# Altium PCB ROBOT1.PcbDoc (part 4 of 7)
Units mm, origin at the board's own origin, x right, y up, seen from the top; angles counter-clockwise.
Board outline 99.4 x 99.07 mm, 2 copper layers (Top Layer, Bottom Layer); 31 components, 29 nets, 151 pads, 0 vias.
Unrouted connection lines stored in the file: 3.
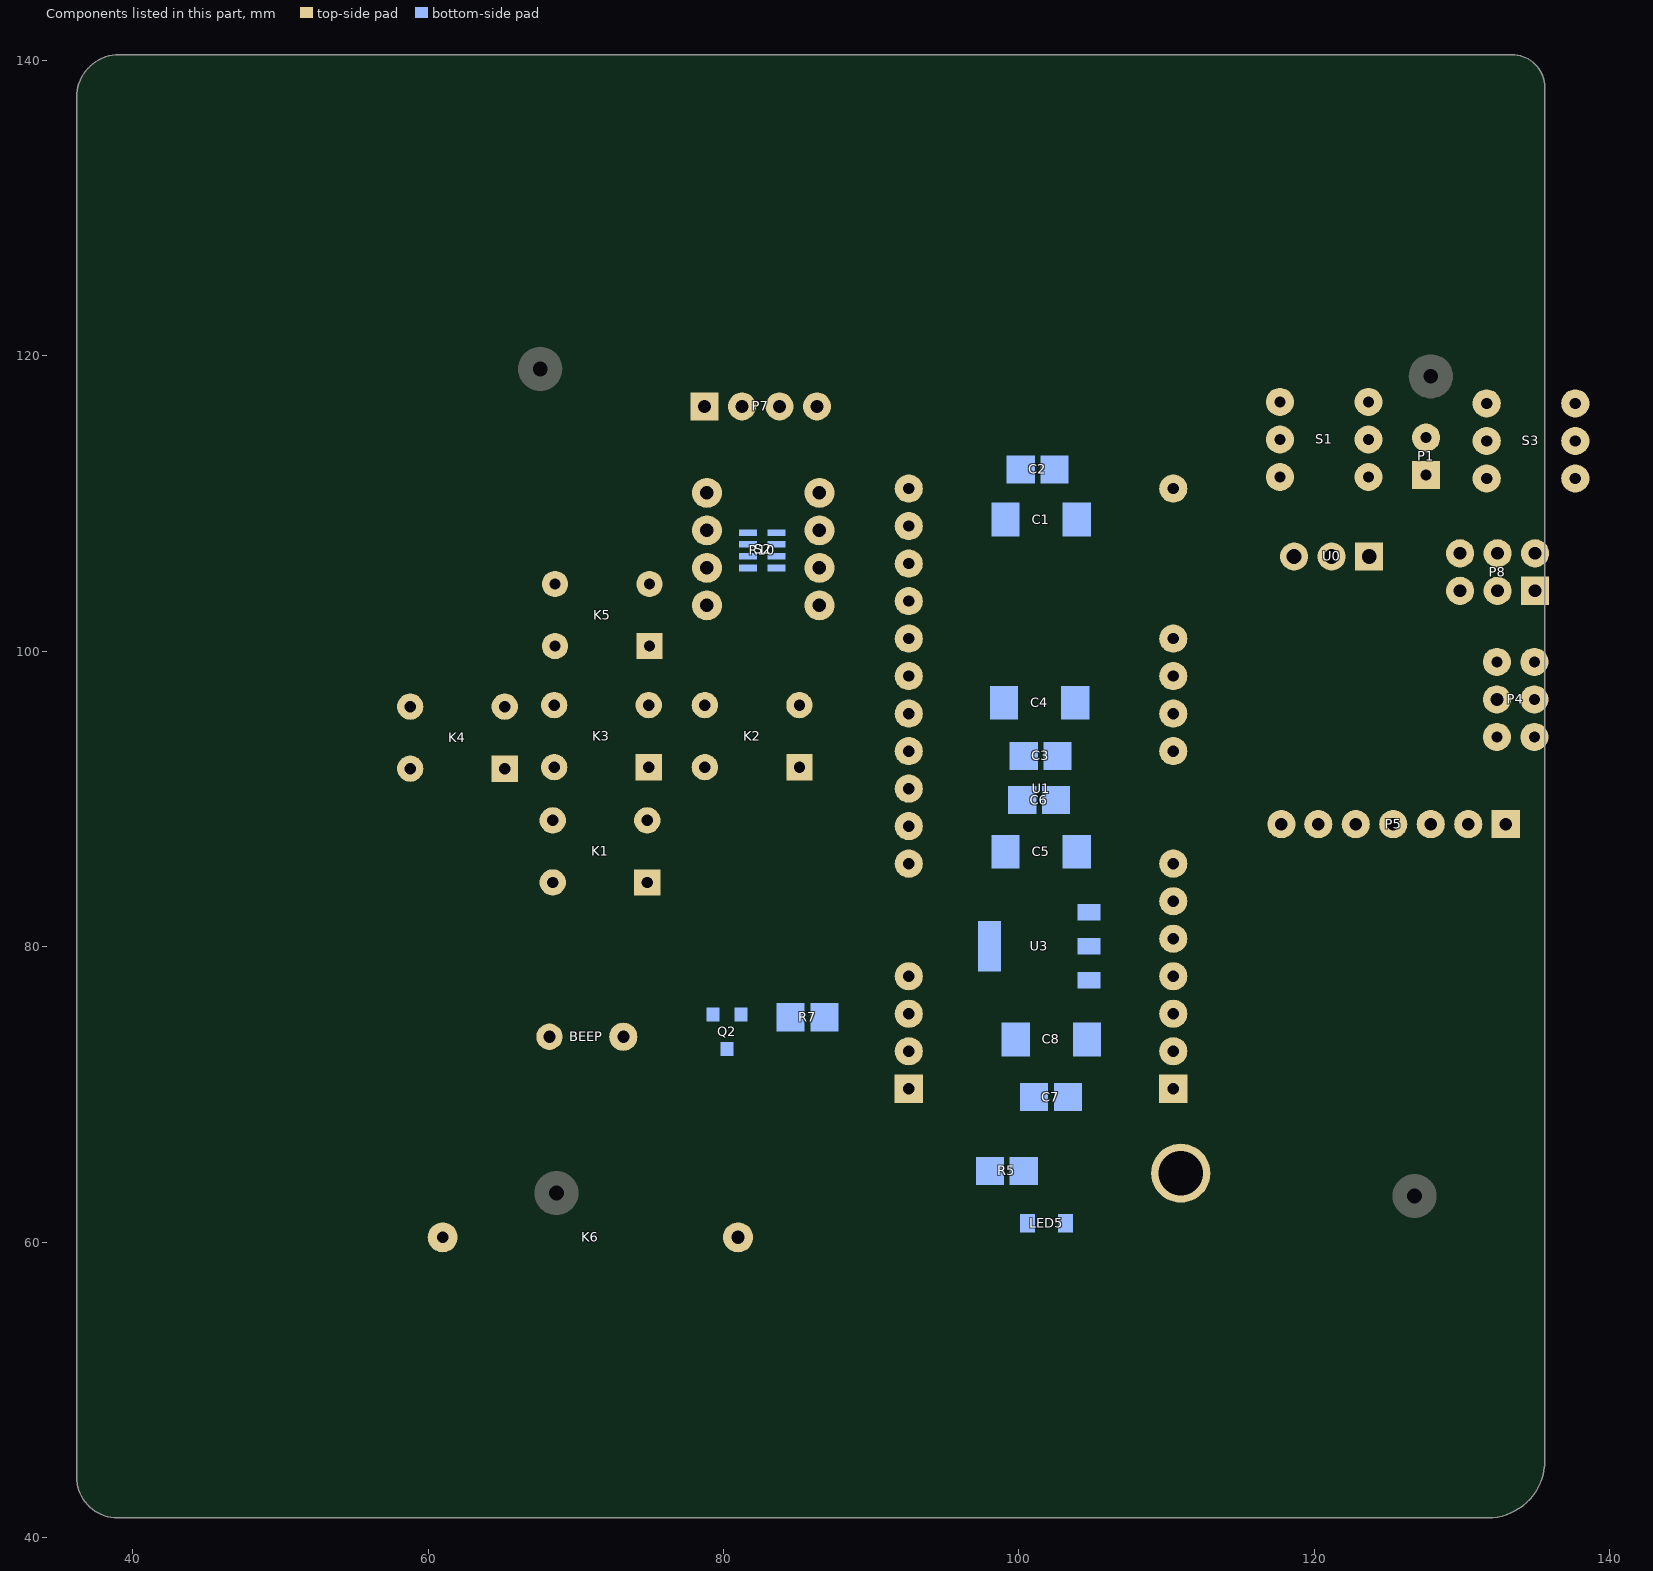
[diagram p4: the components of this part, seen from the top]

## Nets (pads, with @x,y where several pads share a name; then routed paths per layer and width w, separated by ;. In a path a pad name is that pad's centre, name@x,y a point inside that pad or via, vN(x,y) a via of type N, cw(c..) or ccw(c..) an arc to the next point about the centre after c; other vN are vias at no path point) (continued)
copper on no net: (continued)
  Bottom Layer w0.01: 59.678,113.518 62.992,113.518 ; 59.678,114.796 59.728,114.796 ; 59.678,114.806 59.728,114.806 ; 59.678,114.816 59.718,114.816 ; 59.678,114.826 59.718,114.826 ; 59.678,114.836 59.708,114.836 ; 59.678,116.583 59.738,116.583 ; 59.678,116.593 59.738,116.593 ; 59.678,116.603 59.738,116.603 ; 59.678,116.613 59.738,116.613 ; 59.678,118.809 59.768,118.809 ; 59.688,112.85 59.778,112.85 ; 59.688,112.86 59.768,112.86 ; 59.688,112.869 59.768,112.869 ; 59.688,113.498 62.982,113.498 ; 59.688,113.508 62.992,113.508 ; 59.688,114.766 59.738,114.766 ; 59.688,114.776 59.738,114.776 ; 59.688,114.786 59.738,114.786 ; 59.688,116.403 59.758,116.403 ; 59.688,116.413 59.758,116.413 ; 59.688,116.423 59.758,116.423 ; 59.688,116.433 59.748,116.433 ; 59.688,116.443 59.748,116.443 ; 59.688,116.453 59.748,116.453 ; 59.688,116.463 59.748,116.463 ; 59.688,116.473 59.748,116.473 ; 59.688,116.483 59.748,116.483 ; 59.688,116.493 59.748,116.493 ; 59.688,116.503 59.748,116.503 ; 59.688,116.513 59.748,116.513 ; 59.688,116.523 59.748,116.523 ; 59.688,116.533 59.748,116.533 ; 59.688,116.543 59.748,116.543 ; 59.688,116.553 59.748,116.553 ; 59.688,116.563 59.748,116.563 ; 59.688,116.573 59.748,116.573 ; 59.688,118.819 59.778,118.819 ; 59.688,118.829 59.778,118.829 ; 59.698,113.478 62.972,113.478 ; 59.698,113.488 62.982,113.488 ; 59.698,114.746 59.738,114.746 ; 59.698,114.756 59.738,114.756 ; 59.698,115.125 59.738,115.125 ; 59.698,116.363 59.758,116.363 ; 59.698,116.373 59.758,116.373 ; 59.698,116.383 59.758,116.383 ; 59.698,116.393 59.758,116.393 ; 59.698,118.839 59.788,118.839 ; 59.708,113.458 59.788,113.458 ; 59.708,113.468 59.798,113.468 ; 59.708,114.696 59.748,114.696 ; 59.708,114.706 59.748,114.706 ; 59.708,114.716 59.738,114.716 ; 59.708,114.726 59.738,114.726 ; 59.708,114.736 59.738,114.736 ; 59.708,116.194 59.778,116.194 ; 59.708,116.204 59.778,116.204 ; 59.708,116.214 59.768,116.214 ; 59.708,116.224 59.768,116.224 ; 59.708,116.233 59.768,116.233 ; 59.708,116.243 59.768,116.243 ; 59.708,116.253 59.768,116.253 ; 59.708,116.263 59.768,116.263 ; 59.708,116.273 59.768,116.273 ; 59.708,116.283 59.768,116.283 ; 59.708,116.293 59.768,116.293 ; 59.708,116.303 59.768,116.303 ; 59.708,116.313 59.768,116.313 ; 59.708,116.323 59.768,116.323 ; 59.708,116.333 59.768,116.333 ; 59.708,116.343 59.768,116.343 ; 59.708,116.353 59.758,116.353 ; 59.708,118.849 59.798,118.849 ; 59.708,118.859 59.798,118.859 ; 59.718,113.438 59.808,113.438 ; 59.718,113.448 59.798,113.448 ; 59.718,114.676 59.758,114.676 ; 59.718,114.686 59.758,114.686 ; 59.718,115.215 59.758,115.215 ; 59.718,116.124 59.788,116.124 ; 59.718,116.134 59.788,116.134 ; 59.718,116.144 59.778,116.144 ; 59.718,116.154 59.778,116.154 ; 59.718,116.164 59.778,116.164 ; 59.718,116.174 59.778,116.174 ; 59.718,116.184 59.778,116.184 ; 59.718,118.869 59.808,118.869 ; 59.718,118.879 59.818,118.879 ; 59.728,113.428 59.808,113.428 ; 59.728,114.656 59.768,114.656 ; 59.728,114.666 59.758,114.666 ; 59.728,115.105 59.738,115.105 ; 59.728,115.964 59.798,115.964 ; 59.728,115.974 59.798,115.974 ; 59.728,115.984 59.798,115.984 ; 59.728,115.994 59.798,115.994 ; 59.728,116.004 59.798,116.004 ; 59.728,116.014 59.788,116.014 ; 59.728,116.024 59.788,116.024 ; 59.728,116.034 59.788,116.034 ; 59.728,116.044 59.788,116.044 ; 59.728,116.054 59.788,116.054 ; 59.728,116.064 59.788,116.064 ; 59.728,116.074 59.788,116.074 ; 59.728,116.084 59.788,116.084 ; 59.728,116.094 59.788,116.094 ; 59.728,116.104 59.788,116.104 ; 59.728,116.114 59.788,116.114 ; 59.728,118.889 59.818,118.889 ; 59.728,118.899 59.828,118.899 ; 59.738,113.409 59.828,113.409 ; 59.738,113.419 59.818,113.419 ; 59.738,114.636 59.798,114.636 ; 59.738,114.646 59.798,114.646 ; 59.738,115.884 59.798,115.884 ; 59.738,115.894 59.798,115.894 ; 59.738,115.904 59.798,115.904 ; 59.738,115.914 59.798,115.914 ; 59.738,115.924 59.798,115.924 ; 59.738,115.934 59.798,115.934 ; 59.738,115.944 59.798,115.944 ; 59.738,115.954 59.798,115.954 ; 59.738,118.909 59.828,118.909 ; 59.748,113.399 59.828,113.399 ; 59.748,114.616 59.808,114.616 ; 59.748,114.626 59.808,114.626 ; 59.748,115.185 59.758,115.185 ; 59.748,115.764 59.818,115.764 ; 59.748,115.774 59.818,115.774 ; 59.748,115.784 59.818,115.784 ; 59.748,115.794 59.808,115.794 ; 59.748,115.804 59.808,115.804 ; 59.748,115.814 59.808,115.814 ; 59.748,115.824 59.808,115.824 ; 59.748,115.834 59.808,115.834 ; 59.748,115.844 59.808,115.844 ; 59.748,115.854 59.808,115.854 ; 59.748,115.864 59.808,115.864 ; 59.748,115.874 59.808,115.874 ; 59.748,118.919 59.837,118.919 ; 59.748,118.929 59.847,118.929 ; 59.758,113.379 59.847,113.379 ; 59.758,113.389 59.837,113.389 ; 59.758,114.606 59.818,114.606 ; 59.758,115.714 59.818,115.714 ; 59.758,115.724 59.818,115.724 ; 59.758,115.734 59.818,115.734 ; 59.758,115.744 59.818,115.744 ; 59.758,115.754 59.818,115.754 ; 59.758,117.421 60.247,117.421 ; 59.768,113.359 59.857,113.359 ; 59.768,113.369 59.847,113.369 ; 59.768,114.596 59.818,114.596 ; 59.768,115.545 59.837,115.545 ; 59.768,115.555 59.837,115.555 ; 59.768,115.565 59.828,115.565 ; 59.768,115.575 59.828,115.575 ; 59.768,115.585 59.828,115.585 ; 59.768,115.595 59.828,115.595 ; 59.768,115.605 59.828,115.605 ; 59.768,115.615 59.828,115.615 ; 59.768,115.625 59.828,115.625 ; 59.768,115.635 59.828,115.635 ; 59.768,115.645 59.818,115.645 ; 59.768,115.655 59.818,115.655 ; 59.768,115.665 59.818,115.665 ; 59.768,115.674 59.818,115.674 ; 59.768,115.684 59.818,115.684 ; 59.768,115.694 59.818,115.694 ; 59.768,115.704 59.818,115.704 ; 59.778,113.349 59.867,113.349 ; 59.778,114.586 59.828,114.586 ; 59.778,115.455 60.686,115.455 ; 59.778,115.465 61.205,115.465 ; 59.778,115.475 61.634,115.475 ; 59.778,115.485 61.704,115.485 ; 59.778,115.495 60.157,115.495 ; 59.778,115.505 59.837,115.505 ; 59.778,115.515 59.837,115.515 ; 59.778,115.525 59.837,115.525 ; 59.778,115.535 59.837,115.535 ; 59.788,113.329 59.877,113.329 ; 59.788,113.339 59.867,113.339 ; 59.788,114.576 59.828,114.576 ; 59.788,115.445 60.367,115.445 ; 59.788,118.36 59.897,118.36 ; 59.798,113.319 59.877,113.319 ; 59.798,114.566 59.828,114.566 ; 59.798,115.435 59.877,115.435 ; 59.798,118.37 59.887,118.37 ; 59.798,119.019 59.897,119.019 ; 59.808,113.299 59.897,113.299 ; 59.808,113.309 59.887,113.309 ; 59.808,114.556 59.828,114.556 ; 59.808,117.262 59.887,117.262 ; 59.808,117.272 60.027,117.272 ; 59.808,117.282 60.177,117.282 ; 59.808,117.292 60.377,117.292 ; 59.808,117.302 60.546,117.302 ; 59.808,117.312 60.796,117.312 ; 59.808,117.431 60.327,117.431 ; 59.808,118.38 59.887,118.38 ; 59.808,119.029 59.907,119.029 ; 59.818,113.289 62.852,113.289 ; 59.818,117.222 59.877,117.222 ; 59.818,117.232 59.877,117.232 ; 59.818,117.242 59.877,117.242 ; 59.818,117.252 59.877,117.252 ; 59.818,117.322 60.856,117.322 ; 59.818,118.39 59.897,118.39 ; 59.818,119.038 59.907,119.038 ; 59.818,119.048 59.917,119.048 ; 59.828,113.269 62.842,113.269 ; 59.828,113.279 62.852,113.279 ; 59.828,117.102 59.897,117.102 ; 59.828,117.112 59.887,117.112 ; 59.828,117.122 59.887,117.122 ; 59.828,117.132 59.887,117.132 ; 59.828,117.142 59.887,117.142 ; 59.828,117.152 59.887,117.152 ; 59.828,117.162 59.887,117.162 ; 59.828,117.172 59.887,117.172 ; 59.828,117.182 59.877,117.182 ; 59.828,117.192 59.877,117.192 ; 59.828,117.202 59.877,117.202 ; 59.828,117.212 59.877,117.212 ; 59.828,118.4 59.907,118.4 ; 59.828,118.41 59.917,118.41 ; 59.828,119.058 59.927,119.058 ; 59.837,113.249 62.832,113.249 ; 59.837,113.259 62.842,113.259 ; 59.837,117.052 59.907,117.052 ; 59.837,117.062 59.897,117.062 ; 59.837,117.072 59.897,117.072 ; 59.837,117.082 59.897,117.082 ; 59.837,117.092 59.897,117.092 ; 59.837,118.42 59.917,118.42 ; 59.837,118.43 59.927,118.43 ; 59.837,119.068 59.927,119.068 ; 59.837,119.078 59.937,119.078 ; 59.847,113.229 62.832,113.229 ; 59.847,113.239 62.832,113.239 ; 59.847,116.922 59.917,116.922 ; 59.847,116.932 59.917,116.932 ; 59.847,116.942 59.917,116.942 ; 59.847,116.952 59.917,116.952 ; 59.847,116.962 59.907,116.962 ; 59.847,116.972 59.907,116.972 ; 59.847,116.982 59.907,116.982 ; 59.847,116.992 59.907,116.992 ; 59.847,117.002 59.907,117.002 ; 59.847,117.012 59.907,117.012 ; 59.847,117.022 59.907,117.022 ; 59.847,117.032 59.907,117.032 ; 59.847,117.042 59.907,117.042 ; 59.847,118.44 59.927,118.44 ; 59.847,119.088 59.937,119.088 ; 59.847,119.098 59.947,119.098 ; 59.857,113.219 62.822,113.219 ; 59.857,116.862 59.917,116.862 ; 59.857,116.872 59.917,116.872 ; 59.857,116.882 59.917,116.882 ; 59.857,116.892 59.917,116.892 ; 59.857,116.902 59.917,116.902 ; 59.857,116.912 59.917,116.912 ; 59.857,118.45 59.937,118.45 ; 59.857,118.46 59.947,118.46 ; 59.857,119.108 59.957,119.108 ; 59.867,113.199 59.957,113.199 ; 59.867,113.209 59.967,113.209 ; 59.867,116.763 59.937,116.763 ; 59.867,116.773 59.937,116.773 ; 59.867,116.783 59.937,116.783 ; 59.867,116.792 59.937,116.792 ; 59.867,116.802 59.937,116.802 ; 59.867,116.812 59.927,116.812 ; 59.867,116.822 59.927,116.822 ; 59.867,116.832 59.927,116.832 ; 59.867,116.842 59.917,116.842 ; 59.867,116.852 59.917,116.852 ; 59.867,118.469 59.947,118.469 ; 59.867,118.479 59.957,118.479 ; 59.867,119.118 59.957,119.118 ; 59.867,119.128 59.967,119.128 ; 59.877,113.189 59.957,113.189 ; 59.877,116.693 59.947,116.693 ; 59.877,116.703 59.947,116.703 ; 59.877,116.713 59.947,116.713 ; 59.877,116.723 59.947,116.723 ; 59.877,116.733 59.937,116.733 ; 59.877,116.743 59.937,116.743 ; 59.877,116.753 59.937,116.753 ; 59.877,118.489 59.957,118.489 ; 59.877,118.499 59.967,118.499 ; 59.877,119.138 59.977,119.138 ; 59.877,119.148 59.977,119.148 ; 59.887,113.169 59.977,113.169 ; 59.887,113.179 59.967,113.179 ; 59.887,116.603 59.957,116.603 ; 59.887,116.613 59.957,116.613 ; 59.887,116.623 59.957,116.623 ; 59.887,116.633 59.947,116.633 ; 59.887,116.643 59.947,116.643 ; 59.887,116.653 59.947,116.653 ; 59.887,116.663 59.947,116.663 ; 59.887,116.673 59.947,116.673 ; 59.887,116.683 59.947,116.683 ; 59.887,118.509 59.977,118.509 ; 59.887,119.158 59.987,119.158 ; 59.887,119.168 59.987,119.168 ; 59.897,113.159 59.977,113.159 ; 59.897,116.533 59.957,116.533 ; 59.897,116.543 59.957,116.543 ; 59.897,116.553 59.957,116.553 ; 59.897,116.563 59.957,116.563 ; 59.897,116.573 59.957,116.573 ; 59.897,116.583 59.957,116.583 ; 59.897,116.593 59.957,116.593 ; 59.897,118.519 59.987,118.519 ; 59.897,118.529 59.987,118.529 ; 59.897,119.178 59.997,119.178 ; 59.907,113.139 59.987,113.139 ; 59.907,113.149 59.987,113.149 ; 59.907,116.463 61.345,116.463 ; 59.907,116.473 61.355,116.473 ; 59.907,116.483 61.355,116.483 ; 59.907,116.493 61.365,116.493 ; 59.907,116.503 61.385,116.503 ; 59.907,116.513 61.395,116.513 ; 59.907,116.523 59.967,116.523 ; 59.907,117.441 60.426,117.441 ; 59.907,118.36 59.977,118.36 ; 59.907,118.539 59.997,118.539 ; 59.907,119.188 60.007,119.188 ; 59.907,119.198 60.007,119.198 ; 59.917,113.119 59.997,113.119 ; 59.917,113.129 59.997,113.129 ; 59.917,116.373 60.866,116.373 ; 59.917,116.383 60.975,116.383 ; 59.917,116.393 61.285,116.393 ; 59.917,116.403 61.295,116.403 ; 59.917,116.413 61.305,116.413 ; 59.917,116.423 61.315,116.423 ; 59.917,116.433 61.325,116.433 ; 59.917,116.443 61.335,116.443 ; 59.917,116.453 61.335,116.453 ; 59.917,118.549 60.007,118.549 ; 59.917,118.559 61.814,118.559 ; 59.917,119.208 60.017,119.208 ; 59.927,113.099 60.017,113.099 ; 59.927,113.109 60.007,113.109 ; 59.927,116.263 60.077,116.263 ; 59.927,116.273 60.127,116.273 ; 59.927,116.283 60.187,116.283 ; 59.927,116.293 60.267,116.293 ; 59.927,116.303 60.367,116.303 ; 59.927,116.313 60.426,116.313 ; 59.927,116.323 60.516,116.323 ; 59.927,116.333 60.596,116.333 ; 59.927,116.343 60.646,116.343 ; 59.927,116.353 60.696,116.353 ; 59.927,116.363 60.826,116.363 ; 59.927,118.569 61.804,118.569 ; 59.927,118.579 61.804,118.579 ; 59.927,119.218 60.017,119.218 ; 59.927,119.228 60.027,119.228 ; 59.937,113.089 60.017,113.089 ; 59.937,116.184 60.007,116.184 ; 59.937,116.194 60.007,116.194 ; 59.937,116.204 59.997,116.204 ; 59.937,116.214 59.997,116.214 ; 59.937,116.224 59.997,116.224 ; 59.937,116.233 59.997,116.233 ; 59.937,116.243 59.997,116.243 ; 59.937,116.253 59.997,116.253 ; 59.937,118.589 61.794,118.589 ; 59.937,119.238 60.037,119.238 ; 59.947,113.069 60.027,113.069 ; 59.947,113.079 60.027,113.079 ; 59.947,116.114 60.017,116.114 ; 59.947,116.124 60.017,116.124 ; 59.947,116.134 60.007,116.134 ; 59.947,116.144 60.007,116.144 ; 59.947,116.154 60.007,116.154 ; 59.947,116.164 60.007,116.164 ; 59.947,116.174 60.007,116.174 ; 59.947,118.599 61.784,118.599 ; 59.947,118.609 61.784,118.609 ; 59.947,119.248 60.037,119.248 ; 59.947,119.258 60.047,119.258 ; 59.957,113.059 60.037,113.059 ; 59.957,113.299 61.185,113.299 ; 59.957,116.024 60.027,116.024 ; 59.957,116.034 60.027,116.034 ; 59.957,116.044 60.027,116.044 ; 59.957,116.054 60.027,116.054 ; 59.957,116.064 60.017,116.064 ; 59.957,116.074 60.017,116.074 ; 59.957,116.084 60.017,116.084 ; 59.957,116.094 60.017,116.094 ; 59.957,116.104 60.017,116.104 ; 59.957,117.451 60.456,117.451 ; 59.957,118.619 60.177,118.619 ; 59.957,118.629 60.047,118.629 ; 59.957,119.268 60.057,119.268 ; 59.957,119.278 60.057,119.278 ; 59.967,113.039 60.047,113.039 ; 59.967,113.049 60.037,113.049 ; 59.967,115.964 60.037,115.964 ; 59.967,115.974 60.027,115.974 ; 59.967,115.984 60.027,115.984 ; 59.967,115.994 60.027,115.994 ; 59.967,116.004 60.027,116.004 ; 59.967,116.014 60.027,116.014 ; 59.967,118.639 60.057,118.639 ; 59.967,119.288 60.067,119.288 ; 59.977,112.38 60.077,112.38 ; 59.977,113.019 60.067,113.019 ; 59.977,113.029 60.057,113.029 ; 59.977,115.864 60.047,115.864 ; 59.977,115.874 60.037,115.874 ; 59.977,115.884 60.037,115.884 ; 59.977,115.894 60.037,115.894 ; 59.977,115.904 60.037,115.904 ; 59.977,115.914 60.037,115.914 ; 59.977,115.924 60.037,115.924 ; 59.977,115.934 60.037,115.934 ; 59.977,115.944 60.037,115.944 ; 59.977,115.954 60.037,115.954 ; 59.977,116.523 61.405,116.523 ; 59.977,118.649 60.057,118.649 ; 59.977,118.659 60.067,118.659 ; 59.977,119.298 60.067,119.298 ; 59.977,119.308 60.077,119.308 ; 59.987,112.37 60.077,112.37 ; 59.987,113.009 60.067,113.009 ; 59.987,115.784 60.057,115.784 ; 59.987,115.794 60.057,115.794 ; 59.987,115.804 60.057,115.804 ; 59.987,115.814 60.047,115.814 ; 59.987,115.824 60.047,115.824 ; 59.987,115.834 60.047,115.834 ; 59.987,115.844 60.047,115.844 ; 59.987,115.854 60.047,115.854 ; 59.987,116.533 61.405,116.533 ; 59.987,118.669 60.077,118.669 ; 59.987,118.679 60.077,118.679 ; 59.987,119.318 60.077,119.318 ; 59.987,119.328 60.087,119.328 ; 59.997,112.35 60.087,112.35 ; 59.997,112.36 60.077,112.36 ; 59.997,112.989 60.077,112.989 ; 59.997,112.999 60.077,112.999 ; 59.997,115.674 60.177,115.674 ; 59.997,115.684 60.217,115.684 ; 59.997,115.694 60.317,115.694 ; 59.997,115.704 60.377,115.704 ; 59.997,115.714 60.466,115.714 ; 59.997,115.724 60.516,115.724 ; 59.997,115.734 60.067,115.734 ; 59.997,115.744 60.057,115.744 ; 59.997,115.754 60.057,115.754 ; 59.997,115.764 60.057,115.764 ; 59.997,115.774 60.057,115.774 ; 59.997,116.543 61.415,116.543 ; 59.997,116.553 61.425,116.553 ; 59.997,116.563 61.435,116.563 ; 59.997,118.689 60.087,118.689 ; 59.997,119.338 60.097,119.338 ; 59.997,119.348 60.107,119.348 ; 60.007,112.34 60.097,112.34 ; 60.007,112.969 60.097,112.969 ; 60.007,112.979 60.097,112.979 ; 60.007,115.665 60.087,115.665 ; 60.007,116.573 61.445,116.573 ; 60.007,118.699 60.087,118.699 ; 60.007,118.709 60.097,118.709 ; 60.007,119.358 60.107,119.358 ; 60.017,112.32 60.107,112.32 ; 60.017,112.33 60.097,112.33 ; 60.017,112.959 60.107,112.959 ; 60.017,116.583 61.455,116.583 ; 60.017,117.332 61.245,117.332 ; 60.017,118.36 61.934,118.36 ; 60.017,118.549 61.694,118.549 ; 60.017,118.719 60.107,118.719 ; 60.017,119.368 60.117,119.368 ; 60.017,119.378 60.127,119.378 ; 60.027,112.3 60.117,112.3 ; 60.027,112.31 60.117,112.31 ; 60.027,112.939 60.107,112.939 ; 60.027,112.949 60.107,112.949 ; 60.027,113.309 60.387,113.309 ; 60.027,116.593 61.465,116.593 ; 60.027,118.729 60.117,118.729 ; 60.027,118.739 60.117,118.739 ; 60.027,119.388 60.127,119.388 ; 60.037,112.291 60.127,112.291 ; 60.037,112.919 60.127,112.919 ; 60.037,112.929 60.117,112.929 ; 60.037,116.603 61.475,116.603 ; 60.037,118.749 60.127,118.749 ; 60.037,118.759 60.127,118.759 ; 60.037,119.398 60.137,119.398 ; 60.037,119.408 60.137,119.408 ; 60.047,112.271 60.137,112.271 ; 60.047,112.281 60.127,112.281 ; 60.047,112.909 60.137,112.909 ; 60.047,116.613 60.516,116.613 ; 60.047,118.769 60.137,118.769 ; 60.047,119.418 60.147,119.418 ; 60.057,112.251 60.147,112.251 ; 60.057,112.261 60.137,112.261 ; 60.057,112.889 60.147,112.889 ; 60.057,112.899 60.137,112.899 ; 60.057,116.623 60.506,116.623 ; 60.057,117.461 60.556,117.461 ; 60.057,118.779 60.137,118.779 ; 60.057,118.789 60.147,118.789 ; 60.057,119.428 60.147,119.428 ; 60.057,119.438 60.157,119.438 ; 60.067,112.241 60.157,112.241 ; 60.067,112.879 60.157,112.879 ; 60.067,116.633 60.516,116.633 ; 60.067,116.643 60.526,116.643 ; 60.067,116.653 60.526,116.653 ; 60.067,118.799 60.157,118.799 ; 60.067,118.809 60.157,118.809 ; 60.067,119.448 60.167,119.448 ; 60.067,119.458 60.167,119.458 ; 60.077,112.221 60.167,112.221 ; 60.077,112.231 60.157,112.231 ; 60.077,112.869 60.157,112.869 ; 60.077,116.663 60.536,116.663 ; 60.077,118.819 60.167,118.819 ; 60.077,119.468 60.177,119.468 ; 60.077,119.478 60.187,119.478 ; 60.087,112.211 60.177,112.211 ; 60.087,112.85 60.167,112.85 ; 60.087,112.86 60.167,112.86 ; 60.087,116.673 60.536,116.673 ; 60.087,118.829 60.177,118.829 ; 60.087,118.839 60.177,118.839 ; 60.087,119.488 60.187,119.488 ; 60.097,112.191 60.187,112.191 ; 60.097,112.201 60.177,112.201 ; 60.097,116.683 60.536,116.683 ; 60.097,118.849 60.187,118.849 ; 60.097,119.498 60.197,119.498 ; 60.097,119.508 60.197,119.508 ; 60.107,112.181 60.197,112.181 ; 60.107,116.693 60.546,116.693 ; 60.107,118.859 60.197,118.859 ; 60.107,118.869 60.197,118.869 ; 60.107,119.518 60.207,119.518 ; 60.117,112.161 60.197,112.161 ; 60.117,112.171 60.197,112.171 ; 60.117,115.734 60.606,115.734 ; 60.117,116.703 60.546,116.703 ; 60.117,118.879 60.207,118.879 ; 60.117,118.889 60.207,118.889 ; 60.117,119.528 60.207,119.528 ; 60.117,119.538 60.217,119.538 ; 60.127,112.141 60.217,112.141 ; 60.127,112.151 60.207,112.151 ; 60.127,116.713 60.546,116.713 ; 60.127,116.723 60.556,116.723 ; 60.127,117.471 60.606,117.471 ; 60.127,118.899 60.217,118.899 ; 60.127,119.548 60.227,119.548 ; 60.137,112.121 60.227,112.121 ; 60.137,112.131 60.217,112.131 ; 60.137,114.197 60.526,114.197 ; 60.137,114.207 60.526,114.207 ; 60.137,114.217 60.526,114.217 ; 60.137,114.227 60.357,114.227 ; 60.137,114.237 60.197,114.237 ; 60.137,114.247 60.187,114.247 ; 60.137,114.257 60.197,114.257 ; 60.137,114.267 60.526,114.267 ; 60.137,114.277 60.526,114.277 ; 60.137,114.287 60.516,114.287 ; 60.137,114.297 60.187,114.297 ; 60.137,114.307 60.177,114.307 ; 60.137,114.317 60.177,114.317 ; 60.137,114.327 60.177,114.327 ; 60.137,116.733 60.556,116.733 ; 60.137,117.342 61.335,117.342 ; 60.137,118.909 60.217,118.909 ; 60.137,118.919 60.227,118.919 ; 60.137,119.558 60.227,119.558 ; 60.137,119.568 60.237,119.568 ; 60.147,112.101 60.237,112.101 ; 60.147,112.111 60.237,112.111 ; 60.147,114.167 60.197,114.167 ; 60.147,114.177 60.197,114.177 ; 60.147,114.187 60.207,114.187 ; 60.147,116.743 60.566,116.743 ; 60.147,116.753 60.566,116.753 ; 60.147,118.929 60.237,118.929 ; 60.147,118.939 61.574,118.939 ; 60.147,119.578 60.247,119.578 ; 60.147,119.588 60.247,119.588 ; 60.157,112.091 60.247,112.091 ; 60.157,114.127 60.217,114.127 ; 60.157,114.137 60.207,114.137 ; 60.157,114.147 60.197,114.147 ; 60.157,114.157 60.197,114.157 ; 60.157,116.763 60.566,116.763 ; 60.157,118.949 61.574,118.949 ; 60.157,119.597 60.257,119.597 ; 60.157,119.607 60.267,119.607 ; 60.167,112.081 60.257,112.081 ; 60.167,114.117 60.237,114.117 ; 60.167,115.495 61.704,115.495 ; 60.167,116.773 60.576,116.773 ; 60.167,118.959 61.564,118.959 ; 60.167,119.617 60.267,119.617 ; 60.177,112.061 60.267,112.061 ; 60.177,112.071 60.257,112.071 ; 60.177,114.107 60.257,114.107 ; 60.177,116.783 60.576,116.783 ; 60.177,118.969 61.564,118.969 ; 60.177,118.979 61.554,118.979 ; 60.177,119.627 60.277,119.627 ; 60.187,112.041 